# KiCad board st225_20301.kicad_pcb (continued)
## Nets
+5V: 1D1.16 1E1.14 1F1.14 1H1.14 1J1.14 2H1.14 2J1.14 3J1.14 4A1.8 4H1.16 4J1.14 5B1.1 5B1.30 5H1.19 6D1.20 7D1.21 7D1.24 C16.1 C25.1 C28.1 C32.1 C33.1 C34.1 C35.1 C37.1 C38.1 C39.1 C40.1 C41.1 C42.1 CR4.2 J3.4 J4.3 Q7.3 Q11.1 Q12.1 R5.2 R9.1 R13.2 R16.1 R17.1 R31.1 R32.1 R33.1 R34.1 R35.1 R36.2 R59.1 R61.1 RP12.1 RP13.1 RP14.10
+12V: 8D1.1 8D1.16 C24.1 C27.1 C30.2 CR2.2 CR3.2 J3.1 L6.1 R47.1 RP11.7
+12VA: 5H1.28 C8.1 C26.1 C29.1 L6.2 Q8.1 Q10.1 R75.2 RP11.8
GND: 1D1.1 1D1.8 1D1.9 1E1.7 1F1.7 1H1.7 1J1.7 2H1.7 2H1.12 2J1.7 3J1.7 4A1.4 4B1.4 4H1.8 4H1.13 4J1.7 5B1.12 5H1.5 5H1.20 6D1.10 7D1.12 7D1.18 8B1.8 8C1.8 8D1.4 8D1.5 8D1.12 8D1.13 9E1.11 9E1.13 9E1.14 9E1.15 9E1.16 C1.2 C2.2 C8.2 C14.1 C15.1 C16.2 C17.2 C18.2 C24.2 C25.2 C26.2 C27.2 C28.2 C29.2 C30.1 C31.2 C32.2 C33.2 C34.2 C35.2 C36.2 C37.2 C38.2 C39.2 C40.2 C41.2 C42.2 J1.1 J1.3 J1.5 J1.7 J1.9 J1.11 J1.13 J1.15 J1.17 J1.19 J1.21 J1.23 J1.25 J1.27 J1.29 J1.31 J1.33 J2.2 J2.4 J2.6 J2.8 J2.11 J2.12 J2.15 J2.16 J2.19 J2.20 J3.2 J3.3 J4.2 J5.1 J5.5 J5.9 J5.13 J5.17 J5.18 J7.1 J7.7 Q13.1 R7.1 R15.2 R25.2 R27.2 R38.2 R52.1 R58.2 R62.2 RP1.1 RP5.1 RP5.4 RP5.6 RP5.8 RP14.1 TP3.1 TP8.1
/Analog and Interface/+RD: 5H1.17 J2.17
/Analog and Interface/-RD: 5H1.18 J2.18
/Analog and Interface/COIL_A: J4.5 Q1.2 Q2.2 R26.2 R82.1
/Analog and Interface/COIL_B: C20.1 J4.7 Q3.2 Q4.2 R30.2
/Analog and Interface/COIL_TAP: CR1.1 CR4.1 J4.4 Q5.2
/Analog and Interface/DS1: J1.26 J7.16
/Analog and Interface/DS2: J1.28 J7.14
/Analog and Interface/DS3: J1.30 J7.12
/Analog and Interface/DS4: J1.32 J7.10
/Analog and Interface/HDC1: 5F1.1 J5.3 RP1.3 RP2.3
/Analog and Interface/HDC2: 5F1.14 J5.7 RP1.4 RP2.4
/Analog and Interface/HDC3: 5F1.7 J5.11 RP1.5 RP2.5
/Analog and Interface/HDC4: 5F1.8 J5.15 RP1.6 RP2.6
/Analog and Interface/TWO: 1J1.6 J7.5
/Analog and Interface/WF: 1J1.13 J7.6 RP12.4
/Analog and Interface/~{DIR}: 3J1.13 J1.34 RP14.6
/Analog and Interface/~{DRIVE_SELECT}: 1J1.8 J2.1
/Analog and Interface/~{HD2_0}: 3J1.9 J1.14 RP14.4
/Analog and Interface/~{HD2_1}: 3J1.11 J1.18 RP14.5
/Analog and Interface/~{HD2_2}: J1.4 RP14.3
/Analog and Interface/~{HD2_3}: J1.2 RP14.2
/Analog and Interface/~{RECOVERY_MODE}: J1.16 J2.7 J7.4
/Analog and Interface/~{STEP}: 3J1.1 J1.24 RP14.9
/Analog and Interface/~{WRT_GATE}: 5H1.23 J1.6 RP14.8
/Digital and Stepper/RA0: 6D1.19 7D1.8
/Digital and Stepper/RA1: 6D1.2 7D1.7
/Digital and Stepper/RA2: 6D1.5 7D1.6
/Digital and Stepper/RA3: 6D1.16 7D1.5
/Digital and Stepper/RA4: 6D1.15 7D1.4
/Digital and Stepper/RA5: 6D1.6 7D1.3
/Digital and Stepper/RA6: 6D1.9 7D1.2
/Digital and Stepper/RA7: 6D1.12 7D1.1
/Digital and Stepper/START/~{RUN}: 5B1.14 R50.2
DIR: 2H1.2 3J1.12
FREF: 5B1.11 R14.2 Y1.2
HALL_IN: 1E1.9 2J1.3 2J1.11 4A1.2 4B1.3 J4.1 R31.2
LIFE_TEST: 5B1.33 J7.8 R32.2
RD_DATA: 1D1.2 5H1.21 C15.2
READY: 1F1.1 1H1.2 4J1.12 RP13.6
RECOVERY_MODE: 3J1.6 5B1.36 R51.2
RMODE_IN: 3J1.5 J7.3 RP14.7
SEEK_COMPLETE: 1J1.1 2H1.9 4J1.13
STEP: 3J1.2 4J1.4
WCURR0: 1E1.13 5B1.6
WCURR1: 1E1.11 5B1.5
WRITE_FAULT: 1F1.5 1J1.4 1J1.11 4H1.12 RP13.7
~{DC_UNSAFE}: 1D1.10 5H1.25
~{INDEX}: 1F1.11 J1.20
~{OUT_EN}: 1F1.2 1F1.4 1F1.10 1F1.13 1H1.4 1J1.2 1J1.5 1J1.9 1J1.10 4J1.5 4J1.9 R9.2
~{READY}: 1F1.3 J1.22
~{SEEK_COMPLETE}: 1J1.3 J1.8
~{START}/RUN: 1E1.1 4A1.1 4A1.7 R52.2 R53.1
~{TRACK000}: 1F1.8 J1.10
~{WRITE_FAULT}: 1F1.6 J1.12
Net-(1D1A-Cext): 1D1.14 C22.2
Net-(1D1A-Clr): 1D1.3 1D1.11 R59.2
Net-(1D1A-Q): 1D1.13 1E1.3
Net-(1D1A-RCext): 1D1.15 C22.1 R33.2
Net-(1D1B-Cext): 1D1.6 C23.2
Net-(1D1B-RCext): 1D1.7 C23.1 R34.2
Net-(1D1B-~{Q}): 1D1.12 2H1.13 5B1.39 6D1.1
Net-(1E1-Pad2): 1E1.2 R19.2
Net-(1E1-Pad8): 1E1.8 4A1.6 R16.2
Net-(1E1-Pad10): 1E1.10 RP11.4
Net-(1E1-Pad12): 1E1.12 RP11.1
Net-(1H1-Pad6): 1H1.6 C18.1 R12.2
Net-(1H1-Pad11): 1H1.5 1H1.11 3J1.4
Net-(1H1-Pad12): 1H1.12 RP11.5
Net-(1J1-Pad12): 1J1.12 C17.1 R10.1
Net-(2H1A-C): 2H1.3 2H1.11 4J1.3 4J1.6 5B1.21 RP13.3
Net-(2H1A-Q): 2H1.5 5B1.37
Net-(2H1A-~{R}): 2H1.1 2H1.4 RP13.2
Net-(2H1B-~{S}): 2H1.10 5B1.17
Net-(2J1A-D): 2J1.2 2J1.10 RP12.2
Net-(2J1A-Q): 1F1.12 2J1.5 5B1.38 C44.2
Net-(2J1A-~{R}): 2J1.1 C36.1 C44.1 R60.1
Net-(2J1A-~{S}): 1E1.6 2J1.4 2J1.13 RP12.3
Net-(2J1B-D): 2J1.8 2J1.12 R60.2
Net-(4A1-Pad3): 4A1.3 R29.2
Net-(4A1-Pad5): 4A1.5 R22.2
Net-(4B1-12V): 4B1.8 C31.1 R47.2
Net-(4B1-COIL_A): 4B1.6 R78.2
Net-(4B1-COIL_B): 4B1.7 R49.2
Net-(4B1-FREF): 4B1.1 Q7.1 R15.1
Net-(4B1-H-OUT): 4B1.2 R58.1
Net-(4B1-SENSE): 4B1.5 R17.2 R23.2
Net-(4H1-0): 4H1.1 5G1.9
Net-(4H1-1): 4H1.2 5G1.11
Net-(4H1-2): 4H1.3 5G1.13
Net-(4H1-3): 4H1.4 5G1.8
Net-(4H1-A): 3J1.8 4H1.15
Net-(4H1-B): 3J1.10 4H1.14
Net-(5B1-PA4): 4J1.2 5B1.34
Net-(5B1-PA7): 1E1.4 1E1.5 5B1.31
Net-(5B1-PB0): 5B1.29 6D1.18 7D1.9 8C1.15
Net-(5B1-PB1): 5B1.28 6D1.3 7D1.10 8C1.14
Net-(5B1-PB2): 5B1.27 6D1.4 7D1.11 8C1.13
Net-(5B1-PB3): 5B1.26 6D1.17 7D1.13 8C1.12
Net-(5B1-PB4): 5B1.25 6D1.14 7D1.14 8B1.15
Net-(5B1-PB5): 5B1.24 6D1.7 7D1.15 8B1.14
Net-(5B1-PB6): 5B1.23 6D1.8 7D1.16 8B1.13
Net-(5B1-PB7): 5B1.22 6D1.13 7D1.17 8B1.12
Net-(5B1-PC0): 5B1.20 8D1.7
Net-(5B1-PC1): 5B1.19 8D1.10
Net-(5B1-PC2): 5B1.18 8D1.8
Net-(5B1-PC4): 1H1.1 5B1.16
Net-(5B1-PC5): 1H1.9 5B1.15
Net-(5B1-PC7): 1H1.13 5B1.13
Net-(5B1-PD0): 5B1.9 7D1.23
Net-(5B1-PD1): 5B1.8 7D1.22
Net-(5B1-PD2): 5B1.7 7D1.19
Net-(5B1-PD5): 5B1.4 7D1.20
Net-(5B1-PD6): 5B1.3 6D1.11
Net-(5B1-PD7): 5B1.2 R37.1
Net-(5B1-XTLI): 5B1.10 Y1.1
Net-(5B1-~{NMI}): 5B1.40 R35.2
Net-(5F1A-B): 5F1.2 5G1.5
Net-(5F1A-E): 5F1.3 5F1.5 5F1.10 5F1.12 5G1.14 C2.1 R44.2
Net-(5F1B-B): 5F1.6 5G1.1
Net-(5F1C-B): 5F1.9 5G1.6
Net-(5F1D-B): 5F1.13 5G1.3
Net-(5H1A-VCT): 5H1.27 R44.1
Net-(5H1A-VHS): 5H1.26 RP2.1
Net-(5H1A-WCURR): 5H1.11 R7.2 R8.1 R11.1
Net-(5H1A-WRT_OK): 4J1.8 5H1.10 RP13.8
Net-(5H1A-~{DRVSEL}): 1H1.3 1H1.10 5H1.14 J7.2 RP13.5
Net-(5H1A-~{WRT_FAULT}): 5H1.24 R10.2
Net-(5H1B-+ON): 5H1.4 L5.2
Net-(5H1B--ON): 5H1.3 R4.2
Net-(5H1B-DI+): 5H1.2 C7.1 L4.2 R3.2 TP2.1
Net-(5H1B-DI-): 5H1.1 C7.2 L3.2 R3.1 TP1.1
Net-(5H1B-DO+): 5H1.7 C12.1 C13.1
Net-(5H1B-DO-): 5H1.6 C10.1 C11.1
Net-(5H1C-DI+): 5H1.9 C12.2 C13.2
Net-(5H1C-DI-): 5H1.8 C10.2 C11.2
Net-(5H1C-TMG1): 5H1.22 C14.2 R5.1
Net-(8B1-0): 8B1.1 RP6.1
Net-(8B1-1): 8B1.2 RP7.1
Net-(8B1-2): 8B1.3 RP8.1
Net-(8B1-3): 8B1.4 RP9.1
Net-(8B1-4): 8B1.5 RP10.1
Net-(8B1-5): 8B1.6 RP6.7
Net-(8B1-6): 8B1.7 RP7.7
Net-(8B1-7): 8B1.9 RP8.7
Net-(8B1-8): 8B1.10 RP9.7
Net-(8B1-9): 8B1.11 RP10.7
Net-(8B1-VCC): 8B1.16 8C1.16 Q11.3
Net-(8C1-0): 8C1.1 RP6.3
Net-(8C1-1): 8C1.2 RP7.3
Net-(8C1-2): 8C1.3 RP8.3
Net-(8C1-3): 8C1.4 RP9.3
Net-(8C1-4): 8C1.5 RP10.3
Net-(8C1-5): 8C1.6 RP6.5
Net-(8C1-6): 8C1.7 RP7.5
Net-(8C1-7): 8C1.9 RP8.5
Net-(8C1-8): 8C1.10 RP9.5
Net-(8C1-9): 8C1.11 RP10.5
Net-(8D1-1/2_STEP): 8D1.9 R36.1
Net-(8D1-PH0): 8D1.2 R39.1 RP5.2
Net-(8D1-PH1): 8D1.3 R40.1 RP5.7
Net-(8D1-PH2): 8D1.14 R41.1 RP5.5
Net-(8D1-PH3): 8D1.15 R42.1 RP5.3
Net-(8D1-SET): 8D1.6 Q9.1
Net-(9E1-12V): 9E1.12 C1.1 R75.1
Net-(9E1-DI+): 5H1.12 9E1.8 C6.1 R46.2
Net-(9E1-DI-): 5H1.13 9E1.7 C6.2 R46.1
Net-(9E1-DO+): 9E1.10 C5.1
Net-(9E1-DO-): 9E1.9 C4.1
Net-(9E1-G+): 9E1.6 C19.1
Net-(9E1-G-): 9E1.5 C19.2
Net-(C3-Pad1): C3.1 L2.2 L4.1
Net-(C3-Pad2): C3.2 L1.2 L3.1
Net-(C4-Pad2): C4.2 R1.2
Net-(C5-Pad2): C5.2 R2.2
Net-(C9-Pad1): C9.1 L5.1
Net-(C9-Pad2): C9.2 R4.1
Net-(C20-Pad2): C20.2 R26.1
Net-(CR1-A): CR1.2 Q6.3 R25.1
Net-(CR2-K): CR2.1 Q5.1 R18.1 R24.1
Net-(CR3-K): CR3.1 Q1.1 Q3.1 R20.1 R28.1
Net-(D5-A): D5.2 R13.1
Net-(D5-K): D5.1 R12.1
Net-(J2-Pin_13): 5H1.15 J2.13 R6.2
Net-(J2-Pin_14): 5H1.16 J2.14 R6.1
Net-(J5-Pin_2): 9E1.4 J5.2
Net-(J5-Pin_4): 9E1.3 J5.4
Net-(J5-Pin_6): 9E1.2 J5.6
Net-(J5-Pin_8): 9E1.1 J5.8
Net-(J5-Pin_10): 9E1.17 J5.10
Net-(J5-Pin_12): 9E1.18 J5.12
Net-(J5-Pin_14): 9E1.19 J5.14
Net-(J5-Pin_16): 9E1.20 J5.16
Net-(J6-Pin_1): J6.1 R42.2 RP6.8 RP7.8 RP8.8 RP9.8 RP10.8 TP7.1
Net-(J6-Pin_2): J6.2 R41.2 RP6.2 RP7.2 RP8.2 RP9.2 RP10.2 TP6.1
Net-(J6-Pin_3): J6.3 R40.2 RP6.6 RP7.6 RP8.6 RP9.6 RP10.6 TP5.1
Net-(J6-Pin_5): J6.5 R39.2 RP6.4 RP7.4 RP8.4 RP9.4 RP10.4 TP4.1
Net-(J7-Pin_11): 3J1.3 J7.9 J7.11 J7.13 J7.15 R61.2 R62.1
Net-(L1-Pad1): L1.1 R1.1
Net-(L2-Pad1): L2.1 R2.1
Net-(Q1-B): Q1.3 R20.2 R22.1
Net-(Q2-B): Q2.3 R78.1 R82.2
Net-(Q2-E): Q2.1 Q4.1 R23.1 R27.1
Net-(Q3-B): Q3.3 R28.2 R29.1
Net-(Q4-B): Q4.3 R30.1 R49.1
Net-(Q5-B): Q5.3 Q6.1 R24.2
Net-(Q6-B): Q6.2 R18.2 R19.1
Net-(Q7-B): Q7.2 R14.1
Net-(Q8-B): Q8.2 RP11.3
Net-(Q8-C): Q8.3 R11.2
Net-(Q9-B): Q9.2 RP11.6
Net-(Q9-C): Q9.3 R38.1
Net-(Q10-B): Q10.2 RP11.2
Net-(Q10-C): Q10.3 R8.2
Net-(Q11-B): Q11.2 R37.2
Net-(Q12-B): Q12.2 R50.1
Net-(Q12-C): Q12.3 R53.2
Net-(Q13-B): Q13.2 R51.1
Net-(Q13-C): 4J1.10 4J1.11 Q13.3 RP12.5
Net-(RP12E-R5.2): 4J1.1 RP12.6
Net-(RP13C-R3.2): 1F1.9 1H1.8 RP13.4

Pads without a net: 1D1 4 5; 2H1 6 8; 2J1 6 9; 4H1 5 6 7 9 10 11; 5B1 32 35; 5F1 4 11; 5G1 2 4 7 10 12; 8D1 11; J2 3 5 9 10; J4 6; J6 4; RP1 2; RP2 2

## Via types
v1: diameter 1.524, hole 0.762, Top to Bottom, 339 vias

## Routing (per net, layer and track width the routed paths; a pad name or vN(x,y) marks a point on that pad's centre or on a via; arc(x,y) is an arc through that point)
+5V: length 712.9
  Top w0.254: 70.48,158.37 70.1,157.99 70.1,154.56 70.74,153.92
  Top w0.508: J4.3 131.45,48.13 v1(134.11,45.47)
  Top w0.762: R5.2 33.02,93.22 34.8,91.44 34.8,84.33 33.78,83.31 29.21,83.31 R9.1 27.94,84.58 25.13,84.58 4H1.16 22.86,86.36 21.59,86.36 20.83,87.12 18.41,87.12 16.39,89.15 4J1.14 11.82,89.15 10.67,90.3 10.67,92.33 10.16,92.84 C38.1 10.11,94.44 C16.1 ; 87.38,13.46 83.82,17.02 v1(83.82,17.15) 83.82,16.26 82.93,15.37 1D1.16 79.38,13.46 77.22,13.46 75.31,15.37 1E1.14 69.72,13.97 69.72,12.57 68.58,11.43 66.55,11.43 65.15,12.83 63.5,12.83 60.96,15.37 v1(59.69,15.37) ; 87.38,13.46 90.04,13.46 91.31,14.73 R34.1 ; 87.38,13.46 R59.1 ; 24.13,17.02 24.05,16.94 C32.1 ; 24.13,17.02 23.36,17.02 1H1.14 21.96,17.15 18.97,17.15 16.95,19.17 1J1.14 ; 24.13,17.02 27.81,17.02 29.08,15.75 31.62,15.75 v1(33.02,17.15) 52.96,17.15 54.74,15.37 1F1.14 ; 2J1.14 9.9,43.31 v1(15.24,43.31) 15.79,42.76 15.79,42.46 15.83,42.46 17.14,41.15 18.29,41.15 18.92,41.78 20.32,41.78 ; Q11.1 114.81,138.43 v1(113.41,139.83) ; 107.95,139.7 v1(108.08,139.83) ; 20.32,41.78 20.7,41.78 24.26,38.23 2H1.14 ; 20.32,41.78 RP12.1 ; 94.11,109.35 93.98,109.22 C40.1 ; 15.23,66.29 18.41,66.29 v1(18.41,66.29) 20.57,64.14 24,64.14 24.89,65.02 RP13.1 29.84,65.02 30.61,64.26 v1(33.66,64.26) 35.43,66.04 48.26,66.04 50.42,68.2 62.1,68.2 v1(63.5,66.8)
  Top w1.016: v1(70.74,159.64) 70.48,159.39 70.48,158.37 ; 5B1.30 94.11,108.84 ; v1(84.07,150.62) 74.04,150.62 70.74,153.92 ; v1(71.75,58.42) 71.75,55.88 73.41,54.23 82.42,54.23 v1(83.82,52.83) ; 94.11,108.84 v1(94.11,105.79) ; 94.11,108.84 R35.1 ; v1(82.55,39.37) 81.91,40.01 v1(81.91,45.85) ; v1(94.11,101.85) 95.88,101.85 97.92,99.82 R32.1 R17.1
  Top w1.27: R16.1 135.51,127.76 R13.2 132.46,135 128.65,138.81 127,138.81 v1(124.71,141.1)
  Bottom w0.508: v1(134.11,45.47) 132.21,47.37 132.21,56.13 131.7,56.64 131.7,59.18 128.27,62.61 124.08,62.61 122.04,64.65 4A1.8 ; 1J1.14 13.2,19.17 15.75,21.72 15.75,33.66 17.14,35.05 17.14,37.47 18.54,38.86 18.54,40.77 20.32,42.55 RP12.1
  Bottom w0.762: Q12.1 124.97,129.29 124.97,131.44 126.49,132.97 130.3,132.97 R13.2 ; C37.1 15.15,66.21 15.23,66.29 ; R9.1 28.57,77.98 31.75,74.8 31.75,69.47 33.66,67.56 v1(33.66,64.26) ; v1(59.69,15.37) 1F1.14 55.37,17.27 55.37,24.51 54.36,25.53 53.34,25.53 ; 95.25,139.19 v1(95.25,139.32) ; 1E1.14 71.12,12.65 C34.1 ; RP14.10 R61.1 33.19,25.53 C33.1 v1(33.02,17.15) ; 119.89,109.22 114.94,109.22 111.76,106.05 109.73,106.05 107.95,107.82 106.55,107.82 105.79,107.06 105.79,105.92 104.14,104.27 R17.1 ; v1(83.82,52.83) 83.82,55.5 89.53,61.21 89.53,99.57 91.82,101.85 v1(94.11,101.85) ; v1(18.41,66.29) 18.41,61.59 16,59.18 16,53.72 14.35,52.07 14.35,47.88 15.24,46.99 v1(15.24,43.31)
  Bottom w1.016: C39.1 121.28,106.89 Q7.3 ; C39.1 124.46,103.71 124.46,96.01 122.54,94.09 4A1.8 ; C39.1 122.63,107.27 CR4.2 ; Q7.3 121.28,112.52 118.24,115.57 118.24,124.08 119.51,125.35 5B1.1 ; Q7.3 121.28,107.82 119.89,109.22 ; v1(84.07,150.62) 84.08,150.62 7D1.21 ; R36.2 70.36,168.78 70.36,162.81 70.74,162.43 v1(70.74,159.64) ; v1(82.55,39.37) 83.82,38.1 v1(83.82,17.15) ; 12.84,108.08 12.84,106.95 11.94,106.05 6.86,106.05 6.22,105.41 6.22,103.38 7.87,101.73 7.87,94.57 C16.1 ; v1(94.11,105.79) v1(94.11,101.85) ; v1(71.75,58.42) 71.75,59.18 64.13,66.8 v1(63.5,66.8) ; v1(81.91,45.85) 81.91,50.93 v1(83.82,52.83)
+12V: length 170.6
  Top w0.508: 94.87,155.58 92.07,158.37 88.9,158.37 88,159.27 8D1.1
  Top w1.016: v1(97.66,47.12) 97.66,46.61 99.95,44.32 v1(102.11,44.32) ; v1(89.53,47.12) 88.26,47.12 84.2,51.18 82.17,51.18 81.03,50.04 75.31,50.04 v1(74.93,49.66) ; CR3.2 109.09,66.55 106.17,66.55 v1(104.65,68.07)
  Top w1.27: 8D1.16 77.9,160.27 C30.2
  Bottom w0.762: v1(104.65,68.07) 103,69.72 103,86.36 110.87,94.23 R47.1 109.6,94.23 108.84,95 v1(108.84,99.06)
  Bottom w1.016: CR2.2 105.79,27.94 106.93,29.08 106.93,31.37 106.68,31.62 106.68,34.04 107.57,34.93 107.57,36.07 107.19,36.45 107.19,37.97 102.11,43.05 v1(102.11,44.32) ; v1(104.65,68.07) 103,66.42 103,60.83 102.23,60.07 102.23,58.04 101.09,56.9 101.09,52.45 100.08,51.44 97.66,51.44 ; v1(89.53,47.12) 90.55,48.13 90.55,50.17 91.82,51.44 97.66,51.44 ; v1(74.93,49.66) 71.75,46.48 71.75,44.83 68.96,42.04 68.96,38.86 70.23,37.59 70.23,36.2 71.7,34.72 71.7,33.35 69.63,31.28 69.63,29.76 68.7,28.82 RP11.7 ; 97.66,51.44 v1(97.66,47.12)
  Bottom w1.27: 8D1.16 8D1.1
+12VA: length 278.1
  Top w0.508: Q10.1 49.54,32.51 46.99,32.51 Q8.1
  Top w0.762: v1(84.96,39.5) 83.82,40.64 83.82,46.61 82.68,47.75 73.91,47.75 73.03,48.64 68.58,48.64 67.06,47.12 v1(66.55,47.12) ; C26.1 115.07,20.82 v1(105.41,30.48)
  Top w1.016: v1(66.68,38.1) 59.56,38.1 54.48,43.18 v1(50.16,43.18) ; v1(58.04,143.76) 58.04,132.72 56.51,131.19 v1(56.51,108.71)
  Top w1.27: v1(44.58,106.3) 44.07,106.3 42.67,104.9 42.67,103.89 41.78,103 40.13,103 37.97,105.16 C8.1 37.69,106.09 5H1.28 ; v1(56.51,102.87) v1(56.51,108.71)
  Bottom w0.254: 59.44,158.5 59.44,156.34 58.04,154.94 58.04,154.56
  Bottom w0.508: 50.16,37.72 50.55,37.34 50.55,33.91 49.67,33.03 Q10.1
  Bottom w0.762: 66.68,46.99 v1(66.55,47.12) ; v1(84.96,39.5) 86.61,39.5 89.66,42.55 91.69,42.55 92.33,43.18 94.74,43.18 96.27,41.66 96.27,39.12 94.62,37.47 94.62,36.07 98.17,32.51 98.93,32.51 99.69,31.75 104.14,31.75 v1(105.41,30.48)
  Bottom w1.016: RP11.8 67.94,36.83 v1(66.68,38.1) ; 58.04,154.56 v1(58.04,143.76) ; v1(50.16,43.18) 50.16,37.72 ; R75.2 65.53,164.59 59.44,158.5
  Bottom w1.27: v1(56.51,102.87) 56.51,68.2 60.58,64.14 64.01,64.14 66.04,62.1 66.04,51.31 64.9,50.17 64.9,48.77 v1(66.55,47.12) ; v1(44.58,106.3) 45.72,106.3 46.23,105.79 46.23,104.01 47.37,102.87 49.15,102.87 51.31,105.03 52.83,105.03 v1(56.51,108.71)
GND: length 278.9
  Top w0.254: 1D1.1 90.04,16.51 90.04,18.8 v1(91.44,20.19)
  Top w0.508: 1J1.7 21.59,34.41 v1(22.73,35.56) 23.24,36.07 32.3,36.07 C33.2 30.69,33.02 1H1.7 ; v1(22.35,45.09) 24.13,43.31 2H1.12
  Top w0.762: v1(43.18,56.52) 41.53,56.52 38.48,53.47 RP14.1 2H1.7 ; v1(37.46,103.12) 32.38,103.12 31.12,104.38 4H1.8 ; v1(46.99,25.53) 48.01,24.51 51.69,24.51 J7.1 ; C26.2 C25.2 ; 54.23,65.53 52.96,64.26 v1(48.9,64.26) v1(43.18,64.26) 36.58,64.26 34.42,62.1 30.48,62.1 29.34,60.96 R38.2 27.18,62.36 C37.2 v1(22.73,62.36)
  Top w1.016: C41.2 108.2,132.33 110.11,130.43 v1(112.01,130.43) 113.16,130.43 v1(113.79,131.06)
  Top w1.27: RP5.4 8D1.4 8D1.5 88,170.68 RP5.6
  Bottom w0.254: v1(3.17,10.29) 3.17,10.16 3.94,9.4 3.94,5.46 J2.19 ; v1(8.76,10.16) J2.15
  Bottom w0.508: J7.7 45.72,24.26 v1(46.99,25.53) ; v1(22.35,45.09) 22.35,43.82 21.08,42.55 21.08,40.89 20.24,40.05 C36.2 ; v1(22.73,35.56) 23.75,36.58 25.53,36.58 28.32,39.37 28.32,40.51 28.19,40.51 2H1.12 25.78,43.31 26.54,44.07 26.54,44.7 27.56,45.72 27.56,48.51 28.57,49.53 v1(28.57,50.93) ; v1(57.15,34.29) 55.37,32.51 55.37,30.48 51.69,26.8 51.69,24.89 53.34,23.24 J7.1 ; 1E1.7 1D1.9
  Bottom w0.762: v1(37.46,103.12) 37.46,96.6 C8.2 37.34,95.46 C14.1 ; v1(43.18,64.26) v1(43.18,56.52) R62.2 ; v1(22.73,62.36) 22.73,63.25 21.21,64.77 21.21,78.61 v1(20.95,78.87) ; 4H1.13 24.51,95.63 24.51,102.87 26.02,104.38 4H1.8
  Bottom w1.016: 1F1.7 64.9,35.31 v1(64.64,35.56) ; v1(76.45,146.81) 76.46,146.81 7D1.18
  Bottom w1.27: C26.2 91.95,19.69 v1(91.44,20.19) ; 92.33,167.89 RP5.4 8D1.4 ; 92.33,167.89 92.33,173.1 ; 92.33,167.89 92.33,161.04 91.57,160.27 RP5.1 ; RP5.6 92.2,172.97 92.33,173.1 ; 92.33,173.1 92.33,177.55 91.82,178.05 RP5.8
  vias: v1(0.89,37.59) v1(2.41,37.97) v1(9.14,91.69) v1(13.97,10.29) v1(19.81,10.29) v1(24.89,10.16) v1(27.3,11.94) v1(48.26,68.71) v1(83.57,172.34) v1(83.57,170.31) v1(98.17,172.85) v1(112.01,136.02) v1(112.65,137.8) v1(128.78,29.08) v1(129.67,36.7) v1(130.94,104.9) v1(132.08,102.24)
/Analog and Interface/+RD: length 118
  Top w0.254: J2.17 6.22,8.64 7.24,9.65 7.24,10.67 v1(8.76,12.19)
  Bottom w0.254: v1(8.76,12.19) 8.13,12.83 8.13,33.66 4.32,37.47 4.32,62.99 6.98,65.66 6.98,76.71 6.22,77.47 6.22,91.95 5.21,92.96 5.21,97.92 2.41,100.71 2.41,106.05 1.27,107.19 1.27,108.84 2.67,110.24 5.61,110.24 7.76,108.08
/Analog and Interface/-RD: length 121.1
  Bottom w0.254: 10.3,108.08 7.39,111 2.41,111 0.63,109.22 0.63,106.68 1.78,105.54 1.78,100.58 4.7,97.66 4.7,92.71 5.71,91.69 5.71,76.71 6.22,76.2 6.22,65.79 3.68,63.25 3.68,36.96 7.49,33.15 7.49,10.16 6.22,8.89 J2.18
/Analog and Interface/COIL_A: length 53.4
  Top w0.254: J4.5 131.45,53.21 135.38,49.28 R82.1
  Top w1.27: J4.5 129.15,54.1 127.38,54.1 ; v1(128.14,49.78) 127.38,50.55 127.38,54.1 ; Q1.2 127.38,54.1
  Bottom w0.254: R26.2 106.68,50.17 108.58,48.26 119,48.26 122.17,45.09 Q2.2
  Bottom w1.27: Q2.2 127.25,45.09 127.76,45.59 127.76,49.4 v1(128.14,49.78)
/Analog and Interface/COIL_B: length 118.9
  Top w0.254: v1(96.52,57.15) 100.71,57.15 101.98,58.42 104.14,58.42 104.78,57.79 107.44,57.79 v1(108.08,58.42)
  Top w1.016: J4.7 129.53,58.8 119.13,58.8 v1(119,58.93)
  Bottom w0.254: v1(96.52,57.15) 96.65,57.28 96.65,91.82 101.22,96.39 101.22,105.54 100.84,105.92 C20.1
  Bottom w1.016: 110.49,66.68 109.47,65.66 109.47,61.21 110.62,60.07 ; 110.49,66.68 Q3.2 ; 110.49,66.68 109.47,67.69 109.47,76.71 109.73,76.96 ; 109.73,76.96 112.27,76.96 113.66,75.57 Q4.2 ; 109.73,76.96 108.46,76.96 R30.2 ; 110.62,60.07 112.27,58.42 118.49,58.42 v1(119,58.93) ; 110.62,60.07 108.97,58.42 v1(108.08,58.42)
/Analog and Interface/COIL_TAP: length 125.5
  Top w0.254: J4.4 131.45,50.67 v1(133.98,48.13)
  Top w1.016: Q5.2 102.87,47.18 102.87,51.31 106.17,54.61 v1(108.2,54.61)
  Bottom w0.254: CR4.1 134.75,106.93 134.75,101.47 133.6,100.33 133.6,98.55 130.94,95.89 130.94,91.44 129.54,90.04 129.54,86.23 128.4,85.09 128.4,81.28 130.94,78.74 130.94,62.23 132.84,60.33 132.84,56.26 132.97,56.13 132.97,49.15 v1(133.98,48.13)
  Bottom w0.762: v1(108.2,54.61) 108.58,54.23 108.58,50.42 109.6,49.4 125.86,49.4 127.63,51.18 129.53,51.18 J4.4
  Bottom w1.016: 108.71,32.89 109.22,33.4 109.22,36.96 108.71,37.47 108.71,39.12 103.89,43.94 103.89,46.17 Q5.2
/Analog and Interface/DS1: length 50.1
  Top w0.254: v1(35.56,15.24) 36.83,13.97 41.91,13.97 v1(43.18,15.24)
  Bottom w0.254: v1(43.18,15.24) 44.45,13.97 61.85,13.97 64.52,11.3 65.66,11.3 66.04,10.92 67.82,10.92 68.58,10.16 70.36,10.16 70.99,9.53 72.14,9.53 72.9,8.76 J1.26
  Bottom w0.508: J7.16 v1(35.56,15.24)
/Analog and Interface/DS2: length 44
  Top w0.508: v1(40.64,15.24) v1(38.1,15.24)
  Bottom w0.254: v1(40.64,15.24) 42.54,13.34 61.6,13.34 64.13,10.8 65.02,10.8 65.66,10.16 67.56,10.16 68.2,9.53 69.6,9.53 70.36,8.76 J1.28
  Bottom w0.508: J7.14 v1(38.1,15.24)
/Analog and Interface/DS3: length 41.5
  Bottom w0.254: J1.30 67.82,8.89 67.18,9.53 65.53,9.53 64.9,10.16 63.75,10.16 61.21,12.7 40.64,12.7 39.37,13.97 39.37,16.38 40.64,17.65 J7.12
/Analog and Interface/DS4: length 48.7
  Bottom w0.254: J7.10 41.91,21.59 37.46,21.59 36.83,20.96 36.83,14.1 38.86,12.07 60.96,12.07 63.5,9.53 64.64,9.53 65.28,8.89 J1.32
/Analog and Interface/HDC1: length 94.9
  Top w0.254: RP2.3 RP1.3
  Bottom w0.254: 5F1.1 63.48,110.74 68.45,110.74 69.98,112.27 69.98,119.51 69.34,120.14 69.34,122.56 68.2,123.7 68.2,138.68 70.1,140.59 70.1,157.1 71.88,158.88 71.88,162.94 71.25,163.58 71.25,167.51 RP2.3 75.18,171.45 75.18,179.2 75.95,179.96 82.5,179.96 J5.3
/Analog and Interface/HDC2: length 101.4
  Top w0.254: RP2.4 RP1.4
  Bottom w0.254: J5.7 88.84,181.23 84.71,181.23 82.93,179.45 76.45,179.45 75.69,178.69 75.69,174.24 RP1.4 ; 5F1.14 58.54,115.7 63.12,115.7 63.75,116.33 63.75,117.6 64.39,118.24 66.68,118.24 68.71,120.27 68.71,122.05 67.56,123.19 67.56,157.1 69.47,159 69.47,170.31 72.01,172.85 RP2.4
/Analog and Interface/HDC3: length 81.6
  Top w0.254: RP2.5 RP1.5
  Bottom w0.254: J5.11 95.1,183.07 93.76,181.74 91.06,181.74 89.28,179.96 84.71,179.96 81.53,176.78 78.49,176.78 RP1.5 ; 5F1.7 62.35,131.31 64.52,133.48 65.53,133.48 66.17,134.11 66.17,138.18 65.02,139.32 65.02,157.61 65.53,158.12 67.44,158.12 68.83,159.51 68.83,171.7 72.52,175.39 RP2.5
/Analog and Interface/HDC4: length 94.7
  Top w0.254: 74.04,177.93 77.09,177.93 ; v1(65.53,159.39) 64.9,158.75 64.9,151.77 v1(63.63,150.5)
  Bottom w0.254: J5.15 99.64,184.28 81.91,184.28 81.53,183.9 81.53,181.61 80.52,180.59 75.56,180.59 74.04,179.07 74.04,177.93 68.2,172.09 68.2,162.69 65.53,160.02 v1(65.53,159.39) ; 5F1.8 56.26,127.12 62.36,133.22 62.36,149.23 v1(63.63,150.5)
/Analog and Interface/TWO: length 35.3
  Top w0.254: J7.5 46.99,24.13 26.67,24.13 v1(25.4,25.4) ; v1(24.64,29.97) 24.64,29.72 24.13,29.21 21.97,29.21 21.46,29.72 21.46,30.61 20.2,31.87 1J1.6
  Bottom w0.254: v1(25.4,25.4) 25.4,29.21 v1(24.64,29.97)
/Analog and Interface/WF: length 76.7
  Top w0.254: v1(15.75,50.93) 17.14,52.32 RP12.4 ; 1J1.13 17.53,21.71 18.8,20.45 20.95,20.45 21.46,19.94 21.46,19.81 22.23,19.05 24,19.05 24.51,18.54 27.43,18.54 28.45,19.56 28.45,20.57 29.46,21.59 31.62,21.59 34.16,19.05 46.99,19.05 J7.6
  Bottom w0.254: 1J1.13 14.6,23.75 14.6,33.91 15.88,35.18 15.88,40.13 16.38,40.64 16.38,50.29 v1(15.75,50.93)
/Analog and Interface/~{DIR}: length 130.2
  Top w0.254: v1(40.01,36.96) 21.59,36.96 20.83,36.2 18.54,36.2 v1(14.6,40.13) ; 15.23,68.83 17.02,68.83 v1(17.65,68.2) ; v1(40.01,40.77) RP14.6
  Bottom w0.254: v1(14.6,40.13) 14.6,41.53 13.97,42.16 13.97,45.59 13.34,46.23 13.34,52.71 14.6,53.98 14.6,59.18 17.14,61.72 17.14,67.69 v1(17.65,68.2) ; 62.74,4.83 62.74,9.02 60.32,11.43 35.69,11.43 34.29,12.83 34.29,21.08 34.8,21.59 36.2,21.59 36.83,22.23 36.83,30.61 40.01,33.78 v1(40.01,36.96) v1(40.01,40.77)
/Analog and Interface/~{DRIVE_SELECT}: length 37.9
  Top w0.254: 1J1.8 14.59,32.39 v1(17.78,32.39) ; J2.1 26.54,10.8 v1(25.27,12.07)
  Bottom w0.254: v1(25.27,12.07) 19.81,17.53 18.92,17.53 17.14,19.3 17.14,31.75 v1(17.78,32.39)
/Analog and Interface/~{HD2_0}: length 162.7
  Top w0.254: v1(30.61,80.9) 29.46,80.9 28.96,81.41 24.89,81.41 23.62,82.68 21.84,82.68 21.34,82.17 21.34,81.28 19.05,78.99 15.23,78.99 ; v1(53.47,52.2) 48.39,52.2 47.75,51.56 46.35,51.56 42.54,47.75 40.51,47.75 39.24,46.48 37.46,46.48 36.83,45.85 RP14.4 ; v1(88.14,10.67) 89.28,10.67 92.58,13.97 97.16,13.97 97.79,14.61 97.79,18.42 89.41,26.8 87.88,26.8 82.8,31.88 74.93,31.88 67.44,39.37 60.45,39.37 59.05,40.77 59.05,45.34 58.55,45.85 v1(53.34,45.85)
  Bottom w0.254: RP14.4 36.83,47.12 36.83,54.74 35.56,56.01 35.56,75.95 v1(30.61,80.9) ; v1(53.34,45.85) 53.34,52.07 v1(53.47,52.2) ; J1.14 v1(88.14,10.67)
/Analog and Interface/~{HD2_1}: length 152.2
  Top w0.254: RP14.5 40.13,43.31 42.54,45.72 44.32,45.72 48.13,49.53 v1(50.8,49.53) ; v1(51.05,15.24) 51.94,15.24 53.85,13.34 61.21,13.34 62.99,11.56 64.9,11.56 66.17,10.29 69.22,10.29 70.48,11.56 70.48,12.7 71.5,13.72 75.44,13.72 78.36,10.8 v1(80.01,10.8) ; 15.23,73.91 20.71,73.91 22.1,72.52 23.62,72.52 24.89,73.79 26.67,73.79 27.94,72.52 31.62,72.52 32.13,72.01 v1(36.96,72.01)
  Bottom w0.254: RP14.5 36.96,44.7 36.96,45.72 37.59,46.36 37.59,55.37 36.96,56.01 v1(36.96,72.01) ; v1(50.8,49.53) 52.07,48.26 52.07,44.7 54.1,42.67 54.1,38.1 55.24,36.96 55.24,34.29 54.1,33.15 54.1,30.73 50.8,27.43 50.8,24.77 52.07,23.5 52.07,18.92 51.05,17.91 v1(51.05,15.24) ; J1.18 83.06,8.51 80.9,10.67 80.01,10.67 v1(80.01,10.8)
/Analog and Interface/~{HD2_2}: length 131.9
  Top w0.254: v1(87.76,36.2) 87.76,43.82 90.68,46.74 90.68,47.62 89.79,48.51 88.9,48.51 85.09,52.32 85.09,53.47 83.06,55.5 74.42,55.5 73.03,56.9 73.03,59.18 72.39,59.82 71.12,59.82 70.48,59.18 70.48,56.01 69.22,54.74 62.36,54.74 61.72,54.1 57.91,54.1 56.64,55.37 47.62,55.37 45.72,53.47 44.45,53.47 41.27,50.29 38.48,50.29 36.58,48.39 RP14.3 ; v1(97.16,30.1) 97.41,30.1 98.42,29.08 98.42,26.29 103,21.72 v1(103,15.88)
  Bottom w0.254: v1(103,15.88) 100.84,13.72 J1.4 ; v1(87.76,36.2) 89.79,36.2 90.17,36.58 90.17,39.75 90.93,40.51 92.33,40.51 92.84,40.01 92.84,34.29 97.03,30.1 v1(97.16,30.1)
/Analog and Interface/~{HD2_3}: length 134.5
  Top w0.254: v1(88.9,37.72) 88.26,38.35 88.26,42.93 91.44,46.1 91.44,48.39 90.81,49.02 89.53,49.02 85.72,52.83 85.72,54.23 83.82,56.13 75.06,56.13 73.66,57.53 73.66,60.07 73.28,60.45 70.48,60.45 69.85,59.82 69.85,58.55 68.58,57.28 62.36,57.28 60.45,55.37 59.18,55.37 57.91,56.64 46.23,56.64 44.32,54.74 43.18,54.74 40.01,51.56 36.2,51.56 RP14.2 ; v1(105.41,15.75) 104.01,17.15 104.01,24.51 v1(99.82,28.7)
  Bottom w0.254: v1(99.82,28.7) 99.82,29.21 97.79,31.24 96.9,31.24 93.47,34.67 93.47,37.85 95.38,39.75 95.38,41.28 94.74,41.91 93.15,41.91 92.39,41.15 90.17,41.15 88.9,39.88 v1(88.9,37.72) ; J1.2 103.38,13.72 v1(105.41,15.75)
/Analog and Interface/~{RECOVERY_MODE}: length 101.2
  Top w0.254: v1(83.82,13.34) 82.04,13.34 81.15,12.45 81.15,10.29 80.52,9.65 78.49,9.65 75.31,12.83 71.88,12.83 71.12,12.07 71.12,11.3 69.47,9.65 65.91,9.65 64.77,10.8 62.87,10.8 61.09,12.57 53.59,12.57 52.2,13.97 49.53,13.97 v1(48.26,15.24) 47.12,14.1 45.85,14.1 44.45,12.7 34.8,12.7 34.16,13.34 23.11,13.34 21.34,15.11 18.54,15.11 18.29,14.86 18.29,9.14 18.92,8.51 J2.7
  Bottom w0.254: v1(48.26,15.24) 49.4,16.38 49.4,18.92 50.8,20.32 ; v1(83.82,13.34) 83.82,10.54 85.6,8.76 J1.16
/Analog and Interface/~{STEP}: length 119.2
  Top w0.254: RP14.9 v1(41.27,33.15) ; 3J1.1 22.85,66.29 30.23,66.29 31.24,65.28 32.26,65.28 35.05,68.07 v1(40.77,68.07) ; v1(59.69,20.32) 58.29,21.72 56.51,21.72 55.37,22.86 55.37,25.27 53.98,26.67 52.07,26.67 50.8,25.4 48.77,25.4 47.37,26.8 41.91,26.8 v1(40.64,25.53)
  Bottom w0.254: v1(40.77,68.07) 41.27,67.56 v1(41.27,33.15) 41.27,26.16 v1(40.64,25.53) ; J1.24 75.44,8.64 74.42,9.65 73.28,9.65 72.77,10.16 71.25,10.16 70.48,10.92 68.83,10.92 68.2,11.56 66.42,11.56 66.04,11.94 64.9,11.94 61.34,15.49 61.34,18.67 v1(59.69,20.32)
/Analog and Interface/~{WRT_GATE}: length 184.1
  Top w0.254: v1(32.64,97.92) 34.29,96.27 34.29,93.98 36.2,92.08 36.2,90.17 38.1,88.27 v1(38.1,81.28) ; v1(43.31,29.21) 44.58,27.94 47.88,27.94 48.39,28.45 50.42,28.45 50.8,28.07 55.24,28.07 56.51,26.8 59.18,26.8 61.72,24.26 66.29,24.26 67.06,25.02 68.96,25.02 69.72,24.26 73.03,24.26 74.8,22.48 75.69,22.48 76.71,23.5 76.71,25.91 77.6,26.8 85.47,26.8 v1(85.72,26.54) ; v1(43.18,35.69) RP14.8
  Bottom w0.254: J1.6 98.3,8.89 97.16,10.03 94.87,10.03 94.23,10.67 93.09,10.67 89.79,13.97 87.76,13.97 85.09,16.64 85.09,22.23 85.72,22.86 v1(85.72,26.54) ; v1(32.64,97.92) 32.64,104.14 29.21,107.57 29.21,109.09 28.7,109.6 27.05,109.6 26.54,110.11 25.03,110.11 5H1.23 ; v1(43.31,29.21) 44.58,30.48 44.58,34.29 v1(43.18,35.69) 45.21,37.72 45.21,65.66 44.45,66.42 44.45,75.44 38.61,81.28 v1(38.1,81.28)
